# Altium PCB uTCA_MCH_PCB3.pcbdoc (part 5 of 25)
Units mil, origin at the board's own origin, x right, y up, seen from the top; angles counter-clockwise.
Board outline 7110.66 x 2894.12 mil, 12 copper layers (Top Layer, GND1, MidLayer1, PWR1, MidLayer2, GND2, PWR2, MidLayer3, GND3, MidLayer4, PWR3, Bottom Layer), stack 63.15 mil thick; 767 components, 905 nets, 4553 pads, 2832 vias.
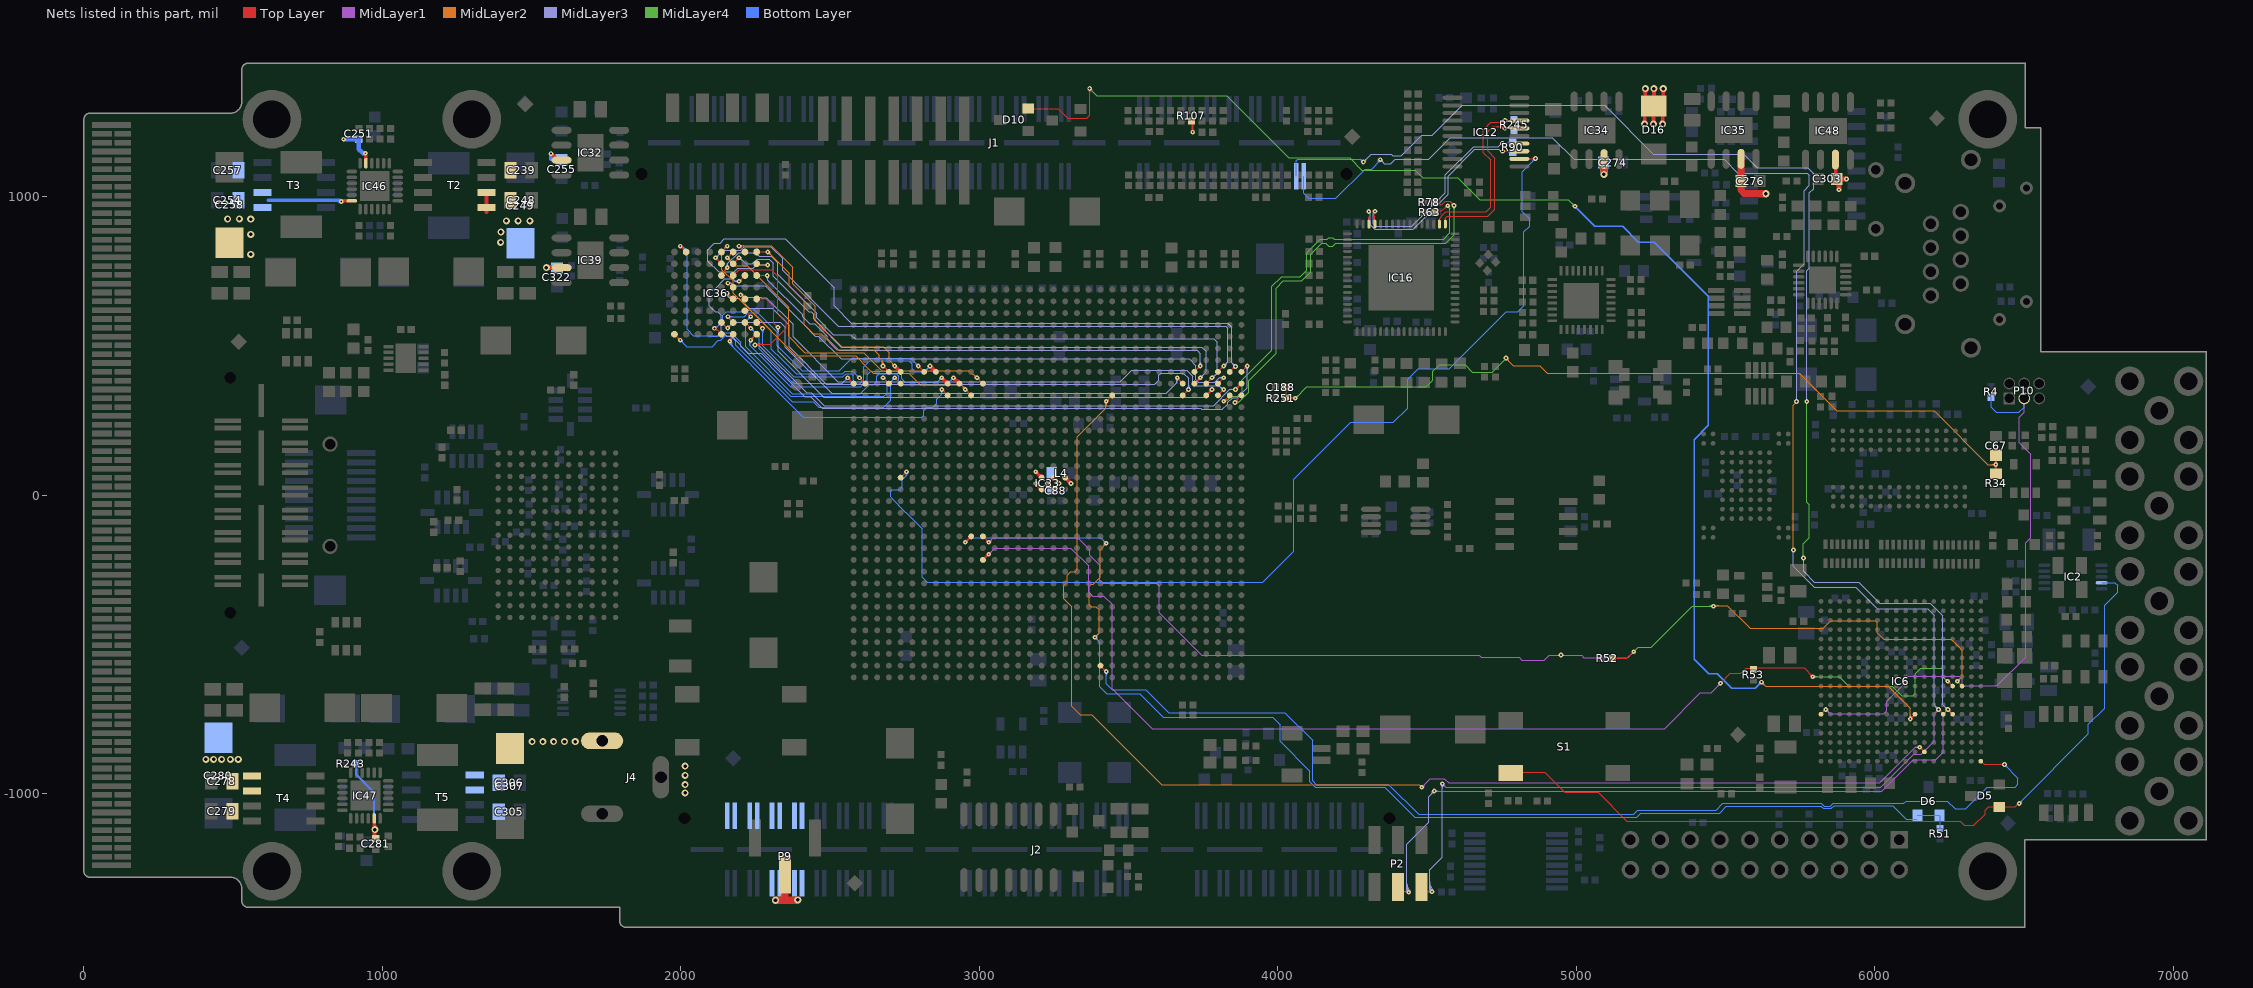
[diagram p15: the nets of this part, all layers, seen from the top]

## Via types
v1: diameter 15.75, hole 5.91, Top Layer to Bottom Layer, tented both sides, 2480 vias
v2: diameter 23.62, hole 11.81, Top Layer to Bottom Layer, tented both sides, 325 vias
v3: diameter 20, hole 10, Top Layer to Bottom Layer, tented both sides, 16 vias
v4: diameter 15.75, hole 7.87, Top Layer to Bottom Layer, tented both sides, 9 vias
v5: diameter 23.62, hole 11.81, Top Layer to Bottom Layer, 1 vias
v6: diameter 15.75, hole 5.91, Top Layer to Bottom Layer, 1 vias

## Nets (pads, with @x,y where several pads share a name; then routed paths per layer and width w, separated by ;. In a path a pad name is that pad's centre, name@x,y a point inside that pad or via, vN(x,y) a via of type N, cw(c..) or ccw(c..) an arc to the next point about the centre after c; other vN are vias at no path point) (continued)
+5VCC_IN: C239.1 C248.1 C249.1 C251.2 C254.1 C255.2 C257.1 C258.1 C274.2 C276.2 C278.1 C279.1 C280.1 C281.2 C303.2 C305.1 C306.1 C307.1 C322.2 D16.2 IC32.3 IC34.3 IC35.3 IC39.3 IC46.17 IC46.24 IC47.17 IC48.3 J2.81 J2.82 J2.83 J2.84 J2.85 J2.86 J2.87 J2.88 J2.90 J2.92 J2.94 J2.96 J4.1 P9.2 R107.2 R243.2 T2.5 T2.6 T3.5 T3.6 T4.5 T4.6 T5.5 T5.6 | length 2058.8
  Top Layer w6.89: v1@3711.44,1219.67 ccw(c3703.87,1227.23) 3714.57,1227.23 ccw(c3725.26,1227.23) v1@3717.7,1219.67 ; v1(3714.57,1216.54) 3714.57,1242.13 ; C303.2@5879.63,1057.83 5881.57,1059.77 C303.2@5883.39,1061.59
  Top Layer w11.81: v1@863.59,982.86 cw(c871.71,974.74) 871.71,986.22 ; v1@864.17,986.22 IC46.24@897.64,986.22 ; v1@941.52,1144.28 cw(c933.41,1136.16) 944.88,1136.16 ; IC46.17@944.88,1112.21 v1@944.88,1141.73
  Top Layer w12.6: C281.2@972.44,-1143.7 IC47.17@972.44,-1082.68 ; C281.2@972.44,-1139.67 cw(c994.01,-1139.67) v2@978.76,-1124.42 ; 972.44,-1101.37 ccw(c994.01,-1101.37) v2@978.76,-1116.62 ; 1348.42,948.03 T2.5@1348.42,964.37 T2.6@1348.42,1014.37 ; v1(1565.02,1144.5) IC32.3@1586.88,1122.64 ; IC32.3@1582.87,1122.64 IC32.3@1586.88,1122.64 ; IC32.3@1623.11,1122.64 IC32.3@1600.39,1122.64 IC32.3@1586.88,1122.64 ; v2@5225.1,1246.9 ccw(c5215.69,1256.31) 5229,1256.31 ccw(c5242.31,1256.31) v2@5232.9,1246.9 ; v2@5227.1,1358.1 cw(c5217.69,1348.69) 5231,1348.69 cw(c5244.31,1348.69) v2@5234.9,1358.1 ; v2(5229,1243) D16.2@5229,1273.13 ; D16.2@5231,1331.87 v2(5231,1362) ; v2@5254.1,1246.9 ccw(c5244.69,1256.31) 5258,1256.31 ccw(c5271.31,1256.31) v2@5261.9,1246.9 ; v2@5256.1,1358.1 cw(c5246.69,1348.69) 5260,1348.69 cw(c5273.31,1348.69) v2@5263.9,1358.1 ; v2(5258,1243) 5258,1302.13 5260,1304.13 v2(5260,1362) ; v2@5285.1,1246.9 ccw(c5275.69,1256.31) 5289,1256.31 ccw(c5302.31,1256.31) v2@5292.9,1246.9 ; v2@5287.1,1358.1 cw(c5277.69,1348.69) 5291,1348.69 cw(c5304.31,1348.69) v2@5294.9,1358.1 ; v2(5289,1243) D16.2@5289,1273.87 ; D16.2@5291,1335.13 v2(5291,1362) ; C276.2@5551.54,1052.4 C276.2@5551.86,1052.72 ; IC48.3@5869,1108.2 5869,1059.09 C303.2@5872.13,1059.8
  Top Layer w15.75: v2(1549.15,762.4) IC39.3@1600.39,762.4 ; IC39.3@1621.01,757.39 IC39.3@1621.01,763.2 ; IC34.3@5090.11,1116.95 IC34.3@5092.82,1114.24 ; v1(5879.63,1023.14) C303.2@5879.63,1057.83 ; C303.2@5881.57,1059.77 v1(5905.22,1059.77)
  Top Layer w23.62: v2(2317.01,-1356.85) 2349.07,-1356.85 ; P9.2@2345.85,-1299.07 2349.07,-1302.29 2349.07,-1356.85 ; v2@2391.59,-1355.77 2390.51,-1356.85 2349.07,-1356.85 ; v2(5092.17,1074.64) 5092.82,1075.29 IC34.3@5092.82,1114.24 ; C276.2@5551.54,1052.4 5551.54,1022.03 5563.57,1010 v2(5635,1010) ; C276.2@5551.86,1052.72 IC35.3@5551.86,1126.95 ; C303.2@5872.13,1059.8 5869.9,1058.34 5871.33,1059.77 C303.2@5881.57,1059.77
  Bottom Layer w6.89: R243.2@911.42,-899.61 911.42,-935.04 972.44,-996.06 972.44,-1108.27 ; v2@969.68,-1113.95 ccw(c965.21,-1108.27) 972.44,-1108.27 ; v2@975.92,-1112.22 cw(c976.43,-1108.27) 972.44,-1108.27
  Bottom Layer w12.6: 618.11,988.19 852.92,988.19 ; 848.89,988.19 cw(c848.89,970.94) v1@861.09,983.14 ; v1@860.82,983.5 ccw(c852.92,979.19) 852.92,988.19 ; v1@861.81,985.77 cw(c859.47,994.74) 852.92,988.19 ; v1(862.2,984.25) 856.86,984.25 852.92,988.19 ; v1(1565.02,1144.5) 1565.02,1126.22 1567.22,1124.02 C255.2@1600.39,1124.02 ; C274.2@5091.11,1117.44 C274.2@5092.17,1116.38
  Bottom Layer w15.75: v1(870.08,1192.91) C251.2@920.47,1192.91 ; C251.2@921.1,1192.28 921.1,1159.92 935.08,1145.94 v1@943.19,1145.94 ; v2@1551.59,760.88 1552.52,761.81 C322.2@1598.43,761.81
  Bottom Layer w23.62: v2(5092.17,1074.64) C274.2@5092.17,1116.38
  other v1: 942.91,1145.67
  other v2: 2391.46,-1355.71 974.86,-1120.52 2014.33,-997.2 2014.33,-969.37 2014.33,-938.27 2014.33,-907.17 408.9,-884.72 434.25,-884.72 461.69,-884.72 490.63,-884.72 517.17,-884.72 1501.69,-825.32 1537.81,-825.32 1573.94,-825.32 1610.06,-825.32 1646.18,-825.32 559.06,807.09 1395.91,847.32 559.06,874.02 1397.17,881.93 1415.35,919.29 1454.72,919.29 1494.09,919.29 559.06,925.2 481.3,925.51 520.55,925.67
A0: IC33.AL8 IC36.A1 | length 787.8
  Top Layer w3.94: IC36.A1@2253.94,814.96 v1(2291.34,814.96) ; v1@2287.16,810.78 ccw(c2277.08,800.7) 2277.08,814.96 ccw(c2277.08,829.22) v1@2287.16,819.14 ; v1@2677.17,427.17 cw(c2677.17,412.91) 2687.25,422.99 cw(c2697.33,433.07) v1@2683.07,433.07 ; v1(2677.17,433.07) IC33.AL8@2696.85,413.39
  MidLayer2 w3.94: v1@2291.34,809.06 cw(c2291.34,794.8) 2301.42,804.88 cw(c2311.5,814.96) v1@2297.24,814.96 ; v1(2291.34,814.96) 2363,743.3 2363,701 2414,650 2414,571.29 2444.19,541.1 2469.72,541.1 2522.72,488.11 2645.31,488.11 2664.37,469.06 2664.37,460.67 2675.2,449.84 ; v1@2672.99,437.25 ccw(c2667.66,442.58) 2675.2,442.58 ; v1@2675.2,433.07 2675.2,449.84 ; 2675.2,441.46 ccw(c2684.13,441.46) v1@2678.42,434.59 ; v1@2680.94,437.61 cw(c2691.09,449.84) 2675.2,449.84
A1: IC33.AK8 IC36.B1 | length 885.9
  Top Layer w3.94: v1@2194.88,828.74 cw(c2194.88,814.48) 2204.96,824.56 cw(c2215.04,834.65) v1@2200.79,834.65 ; v1(2194.88,834.65) IC36.B1@2214.57,814.96
  Top Layer w12.6: v1(2716.54,433.07) IC33.AK8@2736.22,413.39
  MidLayer2 w3.94: v1@2195.63,835.47 2302.68,835.47 2375.04,763.11 2375.04,708.82 2450.43,633.43 2450.43,585.16 2538.23,497.36 2678.46,497.36 2697.72,478.11 2697.72,451.89 v1(2716.54,433.07) ; v1@2199.06,830.47 cw(c2211.13,818.39) 2211.13,835.47 ; v1@2199.06,838.82 ccw(c2207.14,846.91) 2207.14,835.47 ; v1@2710.63,433.07 ccw(c2696.37,433.07) 2706.45,443.15 ccw(c2716.54,453.23) v1@2716.54,438.98
A2: IC33.AC9 IC36.C1 | length 1204.3
  Top Layer w3.94: v1(2155.51,795.28) IC36.C1@2175.2,814.96 ; v1@2155.51,801.18 ccw(c2155.51,815.44) 2165.59,805.36 ccw(c2175.67,795.28) v1@2161.42,795.28 ; v1@2992.13,387.8 cw(c2992.13,373.54) 3002.21,383.62 cw(c3012.29,393.7) v1@2998.03,393.7 ; v1(2992.13,393.7) IC33.AC9@3011.81,374.02
  MidLayer2 w3.94: v1@2155.51,789.37 cw(c2155.51,775.11) 2165.59,785.19 cw(c2175.67,795.28) v1@2161.42,795.28 ; v1(2155.51,795.28) 2182.39,768.39 2222.61,768.39 2361.1,629.9 2361.1,531.85 2415,477.95 2613.31,477.95 2673.35,417.91 2966.26,417.91 v1@2990.67,393.5 ; 2979.22,404.95 ccw(c2992.13,417.86) v1@2992.13,399.61 ; 2983.21,400.96 cw(c2975.96,393.7) v1@2986.22,393.7
A3: IC33.AD10 IC36.D1 | length 1245.7
  Top Layer w3.94: IC36.D1@2135.83,814.96 v1(2155.51,834.65) ; v1@2149.61,834.65 cw(c2135.35,834.65) 2145.43,824.56 cw(c2155.51,814.48) v1@2155.51,828.74 ; v1@2952.76,348.43 cw(c2952.76,334.17) 2962.84,344.25 cw(c2972.92,354.33) v1@2958.66,354.33 ; v1(2952.76,354.33) IC33.AD10@2972.44,334.65
  MidLayer2 w3.94: v1@2149.61,834.65 cw(c2135.35,834.65) 2145.43,824.56 cw(c2155.51,814.48) v1@2155.51,828.74 ; v1(2155.51,834.65) 2137.4,816.54 2137.4,756 2174.98,718.42 2174.98,676.98 2384.49,467.48 2585.35,467.48 2625,427.83 ; 2625,427.77 2644.74,408.03 2764.21,408.03 2801.57,370.67 2939.88,370.67 v1@2952.36,358.19 ; 2940.22,370.33 cw(c2924.23,354.33) v1@2946.85,354.33 ; 2946.95,363.61 cw(c2937.67,354.33) v1@2950.79,354.33 ; 2948.59,361.96 ccw(c2952.76,366.13) v1@2952.76,360.24
A4: IC33.C8 IC36.D2 | length 2144.6
  Top Layer w3.94: v1@2116.14,789.37 cw(c2116.14,775.12) 2126.22,785.2 cw(c2136.31,795.28) v1@2122.05,795.28 ; v1(2116.14,795.28) IC36.D2@2135.83,775.59 ; IC33.C8@3799.21,413.39 v1(3818.9,433.07) ; v1@3812.99,433.07 cw(c3798.73,433.07) 3808.82,422.99 cw(c3818.9,412.91) v1@3818.9,427.17
  MidLayer3 w3.94: v1(2116.14,795.28) 2141.73,820.87 2200.59,820.87 2212.4,832.68 2301.18,832.68 2340.55,793.31 2340.55,753.94 2527.95,566.54 3825.2,566.54 3831.69,560.04 3831.69,445.87 v1(3818.9,433.07) ; v1@2116.14,801.18 ccw(c2116.14,815.44) 2126.22,805.36 ccw(c2136.3,795.28) v1@2122.05,795.28 ; v1@3818.9,438.98 ccw(c3818.9,453.23) 3828.98,443.15 ccw(c3839.06,433.07) v1@3824.8,433.07
A5: IC33.B8 IC36.A2 | length 2502.1
  Top Layer w3.94: IC36.A2@2257.87,771.65 v1(2291.33,771.65) ; 2277.07,771.65 cw(c2277.07,757.39) v1@2287.16,767.48 ; 2277.08,771.65 ccw(c2277.08,785.91) v1@2287.16,775.83 ; IC33.B8@3838.58,413.39 v1@3858.26,433.06 ; IC33.B8@3844.83,419.63 cw(c3858.26,406.2) v1@3858.26,425.2 ; 3849.57,424.37 ccw(c3842.83,431.1) v1@3852.35,431.1 ; 3851.55,426.35 cw(c3858.26,419.64) v1@3858.26,429.13
  MidLayer3 w3.94: 2165.52,858.8 2145.51,858.8 2131.2,844.49 2111.74,844.49 2090.02,822.77 2090.02,784.46 2126.44,748.03 2179.13,748.03 2190.94,759.84 2242.13,759.84 2253.94,771.65 v1(2291.33,771.65) ; 2165.89,859.17 2184.5,859.17 ; 2184.88,858.8 2350.3,858.8 2513.13,695.97 2513.13,634.13 2570.87,576.39 ; 2277.07,771.65 cw(c2277.07,757.39) v1@2287.16,767.48 ; 2277.08,771.65 ccw(c2277.08,785.91) v1@2287.16,775.83 ; 2570.87,576.77 3831.89,576.77 3845.47,563.19 3845.47,443.9 v1(3858.26,431.1) ; 3848.17,441.2 cw(c3838.08,431.1) v1@3852.35,431.1 ; 3848.19,441.18 ccw(c3858.26,451.24) v1@3858.26,437.01 ; v1(2291.33,771.65) 2291.33,775.59 2295.27,771.65 v1(2291.33,771.65)
A6: IC33.E9 IC36.C2 | length 1988.2
  Top Layer w3.94: IC36.C2@2175.2,775.59 v1(2194.88,795.28) ; v1@2188.98,795.28 cw(c2174.72,795.28) 2184.8,785.19 cw(c2194.88,775.11) v1@2194.88,789.37 ; IC33.E9@3720.47,374.02 3722.2,374.02 v1@3740,391.81 ; 3728.85,380.66 ccw(c3715.81,393.7) v1@3734.25,393.7 ; 3733.03,384.84 cw(c3740.16,377.72) v1@3740.16,387.8
  MidLayer3 w3.94: v1@2194.88,789.37 cw(c2194.88,770.36) 2208.32,783.8 ; v1@2194.88,793.31 cw(c2194.88,783.8) 2201.6,790.52 ; v1@2196.85,795.28 2216.54,775.59 2239.62,775.59 2255.37,791.34 2295.28,791.34 2309.06,777.56 2309.06,733.86 2428.74,614.17 2436.81,614.17 2444.88,606.1 2444.88,590.55 2501.97,533.46 ; v1@2200.79,795.28 ccw(c2210.29,795.28) 2203.57,788.55 ; 2501.97,531.81 2537.32,496.46 3745.67,496.46 3759.84,482.28 3759.84,413.39 v1(3740.16,393.7) ; v1@3740.16,399.61 ccw(c3740.16,413.86) 3750.24,403.78 ccw(c3760.32,393.7) v1@3746.06,393.7
A7: IC33.E8 IC36.A3 | length 1771.4
  Top Layer w3.94: IC36.A3@2253.94,736.22 v1(2289.37,736.22) ; v1@2285.19,732.04 ccw(c2275.11,721.96) 2275.11,736.22 ccw(c2275.11,750.48) v1@2285.19,740.4 ; IC33.E8@3720.47,413.39 v1(3740.16,433.07) ; v1@3734.25,433.07 cw(c3719.99,433.07) 3730.08,422.99 cw(c3740.16,412.91) v1@3740.16,427.17
  MidLayer3 w3.94: v1@2285.89,731.45 cw(c2278.09,720.74) 2291.34,720.74 ; v1@2288.21,734.63 cw(c2283.73,728.48) 2291.34,728.48 ; 2291.34,726.72 cw(c2298.87,726.72) v1@2293.55,732.04 ; v1@2291.34,736.22 2291.34,720.87 2407.48,604.72 2407.48,598.43 2431.1,574.8 2448.61,574.8 2490.16,533.26 2490.16,524.84 2529.17,485.83 3729.13,485.83 3740.55,474.41 v1@3740.55,434.25 ; v1@3735.98,437.25 ccw(c3724.95,448.28) 3740.55,448.28 ; 3740.55,446.38 ccw(c3753.46,446.38) v1@3744.33,437.25
A8: IC33.A8 IC36.B3 | length 2397.7
  Top Layer w3.94: v1(2194.88,716.54) IC36.B3@2212.6,734.25 ; v1@2194.88,722.44 ccw(c2194.88,736.7) 2204.96,726.62 ccw(c2215.04,716.54) v1@2200.79,716.54 ; IC33.A8@3877.95,413.39 v1@3897.15,432.58 ; 3886.72,422.15 ccw(c3875.8,433.07) v1@3891.24,433.07 ; 3887.9,423.34 cw(c3897.15,414.09) v1@3897.15,427.17
  MidLayer3 w3.94: 2178.05,719.59 2181.1,716.54 ; v1@2190.61,712.46 ccw(c2181.1,703.41) 2181.1,716.54 ; v1@2190.61,720.61 cw(c2181.1,729.66) 2181.1,716.54 ; v1(2194.88,716.54) 2181.1,716.54 ; 2225.79,476.42 2170,532.2 2154.33,532.2 2135.87,550.67 2135.87,602.6 2123.31,615.16 2114.92,615.16 2095.43,634.65 2095.43,687.99 2099.96,692.52 2114.57,692.52 2146.63,724.59 2173.05,724.59 2181.1,716.54 ; 2226.14,476.22 2268.62,476.22 2414.84,330 2435.39,330 2473.74,291.65 2511.74,291.65 2511.87,291.77 3742.07,291.77 3745.77,288.07 3814.33,288.07 3831.85,305.59 3831.85,311.02 3848.27,327.44 3864.69,327.44 3897.15,359.9 v1(3897.15,433.07) ; v1@3892.97,428.9 cw(c3882.89,418.81) 3897.15,418.81 cw(c3911.4,418.81) v1@3901.32,428.9
A9: IC33.A9 IC36.C3 | length 2328.5
  Top Layer w3.94: IC36.C3@2177.17,738.19 2194.77,755.79 2302.08,755.79 2324.61,733.27 2324.61,610.2 2352.2,582.6 2352.2,559.17 2299.41,506.38 2246.34,506.38 2246.34,505.39 v1(2248.39,503.35) ; v1@2249.78,501.95 cw(c2260.46,491.28) 2260.46,506.38 ; v1@2252.56,499.17 cw(c2269.96,481.77) 2269.96,506.38
  Top Layer w4.29: v1(3858.27,354.33) IC33.A9@3877.95,374.02 ; v1@3858.27,360.06 ccw(c3858.27,373.89) 3868.05,364.11 ccw(c3877.83,354.33) v1@3864,354.33
  MidLayer3 w3.94: v1@2248.07,503.27 2261.61,503.27 ; v1@2252.74,499.36 cw(c2261.61,491.24) 2261.61,503.27 ; v1@2252.82,507.25 ccw(c2261.61,514.97) 2261.61,503.27 ; v1@3854.09,350.15 ccw(c3844.01,340.07) 3844.01,354.33 ccw(c3844.01,368.59) v1@3854.09,358.51 ; v1@3858.27,350.4 v1(3858.27,354.33) ; v1@3861.45,354.33 v1(3858.27,354.33) ; 2261.61,503.27 2421.49,343.39 2436.04,343.39 2479.67,299.76 3784.88,299.76 3839.45,354.33 v1(3858.27,354.33)
A10: IC33.D9 IC36.D3 | length 2100.9
  Top Layer w3.94: IC36.D3@2135.83,736.22 2135.83,742.13 v1@2151.57,757.87 ; v1@2149.61,761.81 cw(c2135.35,761.81) 2145.43,751.73 cw(c2155.51,741.65) v1@2155.51,755.91 ; IC33.D9@3759.84,374.02 v1(3779.53,393.7) ; v1@3773.62,393.7 cw(c3759.36,393.7) 3769.45,383.62 cw(c3779.53,373.54) v1@3779.53,387.8
  MidLayer3 w3.94: v1@2151.48,766.13 ccw(c2142.85,775.39) 2155.51,775.39 ; v1(2155.51,761.81) 2155.51,775.39 ; v1@2159.54,766.13 cw(c2168.17,775.39) 2155.51,775.39 ; v1@3779.53,395.67 ccw(c3779.53,405.17) 3786.25,398.45 ; v1@3779.53,399.61 ccw(c3779.53,418.62) 3792.97,405.17 ; v1@3783.46,395.67 3797.24,409.45 3797.24,512.19 3784.63,524.8 2583.46,524.8 2569.88,538.39 2511.02,538.39 2454.72,594.69 2454.72,610.43 2324.8,740.35 2324.8,778.85 2302.47,801.18 2261.81,801.18 2250,812.99 2193.11,812.99 2155.51,775.39 ; v1@3785.43,393.7 cw(c3794.94,393.7) 3788.22,400.42
A11: IC33.C9 IC36.C4 | length 1965.2
  Top Layer w3.94: v1@2157.48,704.72 cw(c2157.48,690.45) 2167.57,700.54 cw(c2177.62,710.63) v1@2163.38,710.63 ; v1(2157.48,710.63) IC36.C4@2171.26,696.85 ; IC33.C9@3799.21,374.02 v1(3818.9,393.7) ; v1@3812.99,393.7 cw(c3798.74,393.7) 3808.82,383.62 cw(c3818.9,373.54) v1@3818.9,387.8
  MidLayer3 w3.94: v1@2159.45,710.63 2169.29,710.63 ; v1@2162.2,707.08 cw(c2169.29,701.77) 2169.29,710.63 ; v1@2162.2,714.17 ccw(c2169.29,719.5) 2169.29,710.63 ; 2348.62,635.83 2415.35,569.09 ; 2348.62,636.03 2283.09,701.56 2178.36,701.56 2169.29,710.63 ; 2413.39,570.87 2450.79,533.46 2460.24,533.46 2536.61,457.09 3703.27,457.09 3725.71,434.65 3725.71,386.5 3733.78,378.43 3787.87,378.43 3803.15,393.7 v1(3818.9,393.7) ; v1@3814.72,389.52 ccw(c3804.64,379.44) 3804.64,393.7 ccw(c3804.64,407.95) v1@3814.72,397.88
A12: IC33.D10 IC36.A5 | length 1863.1
  Top Layer w3.94: IC36.A5@2253.94,657.48 2285,657.48 2311.26,631.22 2311.26,576.38 v1@2324.65,562.99 ; 2314.98,572.66 ccw(c2325.39,583.08) v1@2325.39,568.35 ; 2315.45,572.19 cw(c2305.71,562.44) v1@2319.49,562.44
  Top Layer w4.29: IC33.D10@3759.84,334.65 v1(3779.53,354.33) ; v1@3773.8,354.33 cw(c3759.97,354.33) 3769.75,344.55 cw(c3779.53,334.77) v1@3779.53,348.6
  MidLayer3 w3.94: v1@2321.22,558.27 cw(c2311.14,548.18) 2325.39,548.18 cw(c2339.65,548.18) v1@2329.57,558.27 ; v1(2325.39,562.44) 2325.39,482.13 2478.66,328.86 3755.83,328.86 v1@3777.13,350.16 ; 3768.19,341.23 ccw(c3755.09,354.33) v1@3773.62,354.33 ; 3772.47,345.5 cw(c3779.53,338.45) v1@3779.53,348.43
A13: IC33.C10 IC36.B5 | length 1962.6
  Top Layer w3.94: v1@2200.79,665.35 cw(c2200.79,651.1) 2210.87,661.18 cw(c2220.95,671.26) v1@2206.69,671.26 ; v1(2200.79,671.26) IC36.B5@2212.6,659.45 ; IC33.C10@3799.21,334.65 v1(3818.9,354.33) ; v1@3812.99,354.33 cw(c3798.73,354.33) 3808.82,344.25 cw(c3818.9,334.17) v1@3818.9,348.43
  MidLayer3 w3.94: v1@2201.7,665.42 cw(c2203.24,655.49) 2210.35,662.6 ; v1@2202.76,670.2 2210.35,662.6 ; v1@2206.69,671.26 ccw(c2218.76,671.26) 2210.23,662.72 ; 2269.53,662.6 2210.35,662.6 ; 2269.72,662.4 2286.14,662.4 2375.75,572.8 2375.75,530.55 2525.92,380.38 3471.38,380.38 3509.98,418.98 3695,418.98 3714.57,399.41 3714.57,372.05 3719.8,366.81 3773.91,366.81 ; 3774.23,367.13 3802.17,367.13 ; 3808.85,360.44 ccw(c3818.84,370.42) v1@3818.89,356.3 ; 3811.6,357.69 cw(c3808.24,354.33) v1@3812.99,354.33 ; v1@3818.9,350.39 3802.17,367.13 ; v1@3818.88,360.24 cw(c3818.8,383.76) 3802.17,367.13
A14: IC33.F10 IC36.C5 | length 1964.8
  Top Layer w3.94: v1@2155.51,671.26 cw(c2155.51,657.01) 2165.59,667.08 cw(c2175.68,677.17) v1@2161.42,677.17 ; v1(2155.51,677.17) IC36.C5@2175.2,657.48 ; IC33.F10@3681.1,334.65 v1(3700.79,354.33) ; v1@3694.88,354.33 cw(c3680.62,354.33) 3690.71,344.25 cw(c3700.79,334.17) v1@3700.79,348.43
  MidLayer3 w3.94: v1@2153.46,671.63 cw(c2152.14,668.06) 2155.94,668.06 ; v1@2153.68,677.88 ccw(c2161.96,674.64) 2155.67,668.35 ; v1@2155.94,677.05 2155.94,668.07 ; v1@2157.34,676.45 ccw(c2168.06,672.24) 2159.92,664.09 ; v1@2158.28,671.95 ccw(c2160.35,668.06) 2155.94,668.06 ; v1@2161.01,675.01 ccw(c2174.17,669.84) 2164.17,659.84 ; v1@3696.61,358.51 ccw(c3686.53,368.59) 3700.79,368.59 ccw(c3715.04,368.59) v1@3704.96,358.51 ; v1@3696.85,348.43 v1@3696.85,352.36 ; v1(3700.79,354.33) 3700.79,391.93 3683.19,409.53 3609.96,409.53 3601.73,401.3 3601.73,385.63 3588.31,372.2 2487.42,372.2 2362.48,497.14 2362.48,570.04 2306.81,625.71 2228.24,625.71 2194.11,659.84 2164.17,659.84 ; 2155.94,668.07 2164.17,659.84
A15: IC33.F9 IC36.D7 | length 1838.7
  Top Layer w3.94: IC36.D7@2135.83,578.74 v1@2153.54,561.02 ; IC36.D7@2142.38,572.19 ccw(c2156.69,586.51) v1@2156.69,566.26 ; 2148.37,566.2 cw(c2142.52,560.35) v1@2150.79,560.35 ; 2149.1,565.47 ccw(c2156.69,573.07) v1@2156.69,562.32 ; v1@3662.99,387.99 cw(c3662.99,377.54) 3670.39,384.93 ; v1(3662.99,393.9) 3662.99,392.32 IC33.F9@3681.06,374.25 ; v1@3668.9,393.9 ccw(c3686.96,393.9) 3674.19,381.13
  MidLayer3 w3.94: v1@2156.69,561.61 2174.8,579.72 2333.39,579.72 2349.9,563.21 2349.9,496.28 2504.65,341.54 3626.09,341.54 3635.71,351.16 ; v1@2156.69,566.26 ccw(c2156.69,577.48) 2164.62,569.54 ; v1@2162.6,560.35 cw(c2179.9,560.35) 2167.67,572.59 ; 3635.96,351.16 3660.91,376.1 v1@3660.91,393.9 ; v1@3658.82,389.72 cw(c3653.77,384.68) 3660.91,384.68 ; 3660.91,375.98 cw(c3679.08,375.98) v1@3666.94,389.5 ; 3660.91,384.81 cw(c3671.15,384.81) v1@3664.31,392.43
  other v1: 2156.69,560.35
A16: IC33.AH8 IC36.D8 | length 1031.9
  Top Layer w3.94: v1@2112.2,553.15 cw(c2112.2,529.37) IC36.D8@2129.01,546.18 ; v1@2112.2,557.09 cw(c2112.2,542.82) 2122.29,552.91 ; v1@2116.14,559.06 IC36.D8@2135.83,539.37 ; v1@2118.11,559.05 ccw(c2122.85,559.05) 2119.49,555.7 ; v1@2795.28,427.17 cw(c2795.28,412.91) 2805.36,422.99 cw(c2815.44,433.07) v1@2801.18,433.07 ; v1(2795.28,433.07) IC33.AH8@2814.96,413.39
  Bottom Layer w3.94: v1(2112.2,559.05) 2116.14,559.05 2140.93,583.84 2140.93,603.45 2151.65,614.17 2214.51,614.17 2222.38,622.05 2246.12,622.05 2254,614.17 ; v1@2112.2,561.02 ccw(c2112.2,575.29) 2122.29,565.2 ; v1@2112.2,564.96 ccw(c2112.2,588.73) 2129.01,571.92 ; v1@2118.11,559.05 cw(c2122.85,559.05) 2119.5,562.41 ; 2254,614.11 2322.83,545.28 2322.83,500.71 2406.93,416.61 2530.2,416.61 2572.05,458.46 2612.09,458.46 ; 2607.52,458.78 2661.5,458.78 ; 2661.61,458.66 2769.69,458.66 v1(2795.28,433.07) ; v1@2789.37,433.07 ccw(c2775.11,433.07) 2785.19,443.15 ccw(c2795.28,453.23) v1@2795.28,438.98
A17: IC33.AG8 IC36.A7 | length 901.1
  Top Layer w3.94: IC36.A7@2253.94,578.74 v1(2273.62,559.06) ; v1@2267.72,559.06 ccw(c2253.46,559.06) 2263.54,569.14 ccw(c2273.62,579.22) v1@2273.62,564.96
  Top Layer w12.6: v1(2834.65,433.07) IC33.AG8@2854.33,413.39
  Bottom Layer w3.94: v1@2269.45,554.88 cw(c2259.36,544.8) 2273.62,544.8 cw(c2287.88,544.8) v1@2277.8,554.88 ; v1(2273.62,559.06) 2273.62,501.06 2378.07,396.61 2543.01,396.61 2553.35,406.95 2571,406.95 2577.56,400.39 2577.56,385.43 2589.37,373.62 2599.21,373.62 2612.2,386.61 2612.2,429.92 2633.07,450.79 2763.78,450.79 2775.2,439.37 2775.2,423.23 2783.86,414.57 2816.93,414.57 v1@2834.65,432.28 ; 2824.01,421.65 ccw(c2812.58,433.07) v1@2828.74,433.07 ; 2825.91,423.55 cw(c2834.65,414.81) v1@2834.65,427.17
A18: IC33.AP9 IC36.B7 | length 574.4
  Top Layer w3.94: IC36.B7@2214.57,578.74 v1(2234.25,559.06) ; v1@2228.35,559.06 ccw(c2214.09,559.06) 2224.17,569.14 ccw(c2234.25,579.22) v1@2234.25,564.96 ; v1@2559.06,387.27 cw(c2559.06,371.73) 2570.04,382.71 ; v1@2559.59,393.17 IC33.AP9@2578.74,374.02 ; v1@2564.96,393.17 ccw(c2577.94,393.17) 2568.76,383.99
  Bottom Layer w3.94: v1@2234.25,553.15 cw(c2234.25,538.89) 2244.33,548.97 cw(c2254.41,559.06) v1@2240.16,559.06 ; v1(2234.25,559.06) 2262.17,531.14 2262.17,497.64 ; 2261.81,497.28 2261.81,490.2 2281.92,470.09 ; 2281.92,470.05 2375.98,375.98 2541.73,375.98 ; 2543.05,377.17 v1(2559.06,393.17) ; v1@2553.15,393.17 cw(c2538.89,393.17) 2548.97,383.09 cw(c2559.06,373.01) v1@2559.06,387.26
A19: IC33.AN9 IC36.C7 | length 731.4
  Top Layer w3.94: v1@2155.51,598.42 IC36.C7@2175.2,578.74 ; v1@2157.48,592.52 cw(c2157.48,583) 2164.2,589.73 ; v1@2159.44,598.42 ccw(c2168.94,598.42) 2162.23,591.71 ; v1@2163.38,598.42 ccw(c2182.38,598.42) IC36.C7@2168.95,584.99 ; v1@2598.43,387.27 cw(c2598.43,371.73) 2609.41,382.71 ; v1@2598.96,393.17 IC33.AN9@2618.11,374.02 ; v1@2604.33,393.17 ccw(c2617.31,393.17) 2608.13,383.99
  Bottom Layer w3.94: v1(2157.48,598.42) 2212.68,598.42 2226.46,612.2 2242.05,612.2 2249.92,604.33 ; v1@2161.65,594.25 cw(c2171.73,584.17) 2171.73,598.42 cw(c2171.73,612.68) v1@2161.65,602.6 ; 2250,604.33 2303.15,551.18 2303.15,489.65 2335.97,456.83 ; 2335.97,456.55 2385.67,406.85 2542.11,406.85 2550.09,414.82 2576.51,414.82 v1@2598.03,393.31 ; 2587.91,403.43 ccw(c2598.43,413.95) v1@2598.43,399.08 ; 2588.53,402.81 cw(c2578.88,393.17) v1@2592.52,393.17
  other v1: 2598.43,393.17